# Altium PCB 2017_IHM.PcbDoc (part 2 of 2)
Units mil, origin at the board's own origin, x right, y up, seen from the top; angles counter-clockwise.
Board outline 5770 x 6604.12 mil, 4 copper layers (1-TOP, 2-SIGNAL, 3-GND, 4-BOT), stack 68 mil thick; 257 components, 166 nets, 806 pads, 303 vias.
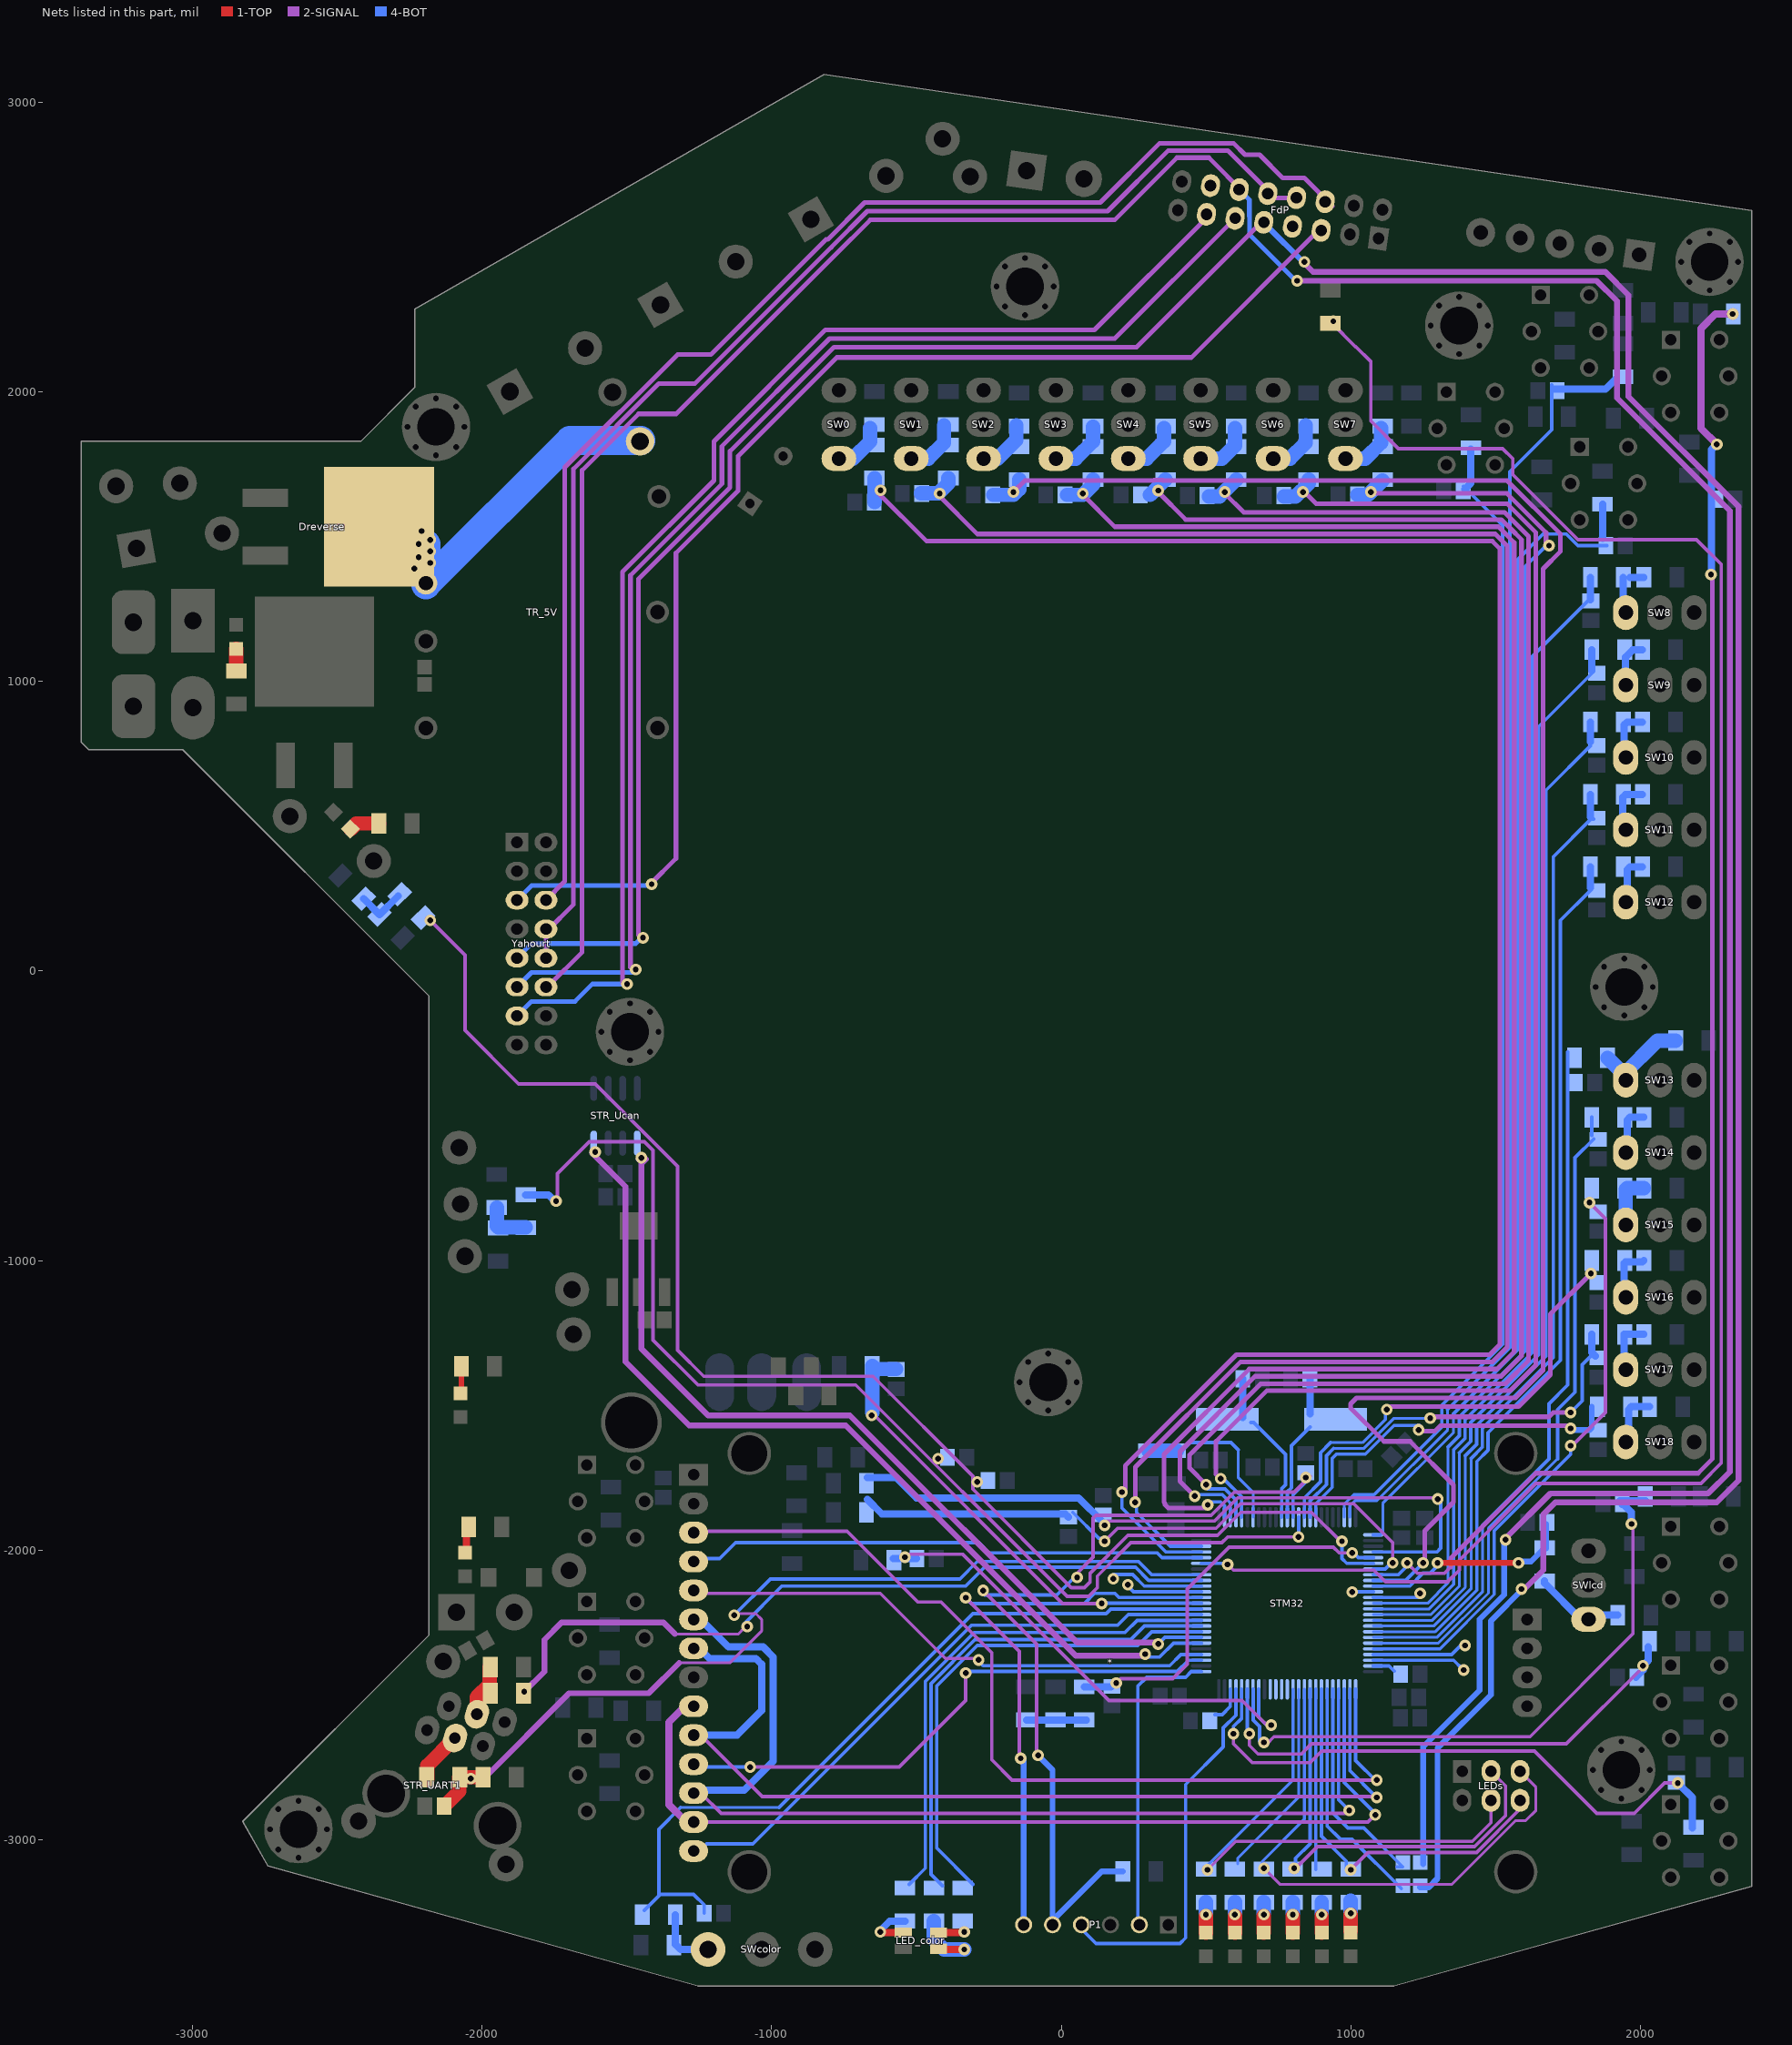
[diagram p4: the nets of this part, all layers, seen from the top]

## Via types
v1: diameter 40, hole 20, 1-TOP to 4-BOT, 303 vias

## Nets (pads, with @x,y where several pads share a name; then routed paths per layer and width w, separated by ;. In a path a pad name is that pad's centre, name@x,y a point inside that pad or via, vN(x,y) a via of type N, cw(c..) or ccw(c..) an arc to the next point about the centre after c; other vN are vias at no path point) (continued)
NetC46_2: C46.2 STM32.12 Y1.2 | length 521.5
  4-BOT w12: Y1.2@655,-1560 665,-1560 775,-1670 775,-1775 761.3,-1788.7 STM32.12@761.3,-1886.77
  4-BOT w25: Y1.2@627.52,-1542.48 C46.2@627.52,-1409.02
NetC47_2: C47.2 STM32.13 Y1.1 | length 464.9
  4-BOT w12: STM32.13@780.98,-1886.77 780.98,-1799.02 795,-1785 795,-1640 Y1.1@860,-1575
  4-BOT w25: Y1.1@859.45,-1529.45 C47.2@859.45,-1409.02
NetC49_2: C49.2 STM32.49 | length 80.4
  4-BOT w12: STM32.49@1078.23,-2400.55 1132.52,-2400.55 C49.2@1150.98,-2419.02
NetC50_2: C50.2 STM32.73 | length 124.4
  4-BOT w12: C50.2@530.98,-2569.02 555.98,-2569.02 584.13,-2540.87 STM32.73@584.13,-2481.26
NetCd24VCDE_2: Cd24VCDE.2 Dreverse.2 TR_5V.1 | length 1083.7
  4-BOT w100: TR_5V.1@-2195,1335 -1697.27,1832.73 Cd24VCDE.2@-1452.5,1832.73 ; TR_5V.1@-2195,1340 -2195,1475
  other v1: -2235,1390 -2180,1410 -2220,1430 -2180,1450 -2220,1475 -2180,1490 -2210,1520
NetD24in_1: D24in.1 R24in.2 | length 68.7
  1-TOP w50: R24in.2@-2850,1045 D24in.1@-2850,1113.66
NetD24Psce_1: D24Psce.1 R24Psce.2 | length 106.2
  1-TOP w50: D24Psce.1@-2455,490 -2435,510 R24Psce.2@-2357.09,510
NetDcde_1: Dcde.1 Rcde.2 | length 92.1
  1-TOP w20: Dcde.1@-2072.09,-1457.09 Rcde.2@-2072.09,-1365
NetDhok_1: Dhok.1 Rhok.2 | length 104.1
  1-TOP w25: Dhok.1@-2065,-2010 -2055,-2000 Rhok.2@-2055,-1910
NetLed0_1: Led0.1 Rled0.1 | length 94.5
  1-TOP w50: Led0.1@1000,-3316.57 v1@1000,-3260
  4-BOT w50: v1@1000,-3250 Rled0.1@1000,-3212.09
  other v1: 1000,-3255
NetLed1_1: Led1.1 Rled1.1 | length 94.5
  1-TOP w50: Led1.1@900,-3321.57 v1@900,-3265
  4-BOT w50: v1@900,-3255 Rled1.1@900,-3217.09
  other v1: 900,-3260
NetLed2_1: Led2.1 Rled2.1 | length 94.5
  1-TOP w50: Led2.1@800,-3321.57 v1@800,-3265
  4-BOT w50: v1@800,-3255 Rled2.1@800,-3217.09
  other v1: 800,-3260
NetLed3_1: Led3.1 Rled3.1 | length 94.5
  1-TOP w50: Led3.1@700,-3321.57 v1@700,-3265
  4-BOT w50: v1@700,-3255 Rled3.1@700,-3217.09
  other v1: 700,-3260
NetLed4_1: Led4.1 Rled4.1 | length 94.5
  1-TOP w50: Led4.1@600,-3321.57 v1@600,-3265
  4-BOT w50: v1@600,-3255 Rled4.1@600,-3217.09
  other v1: 600,-3260
NetLed5_1: Led5.1 Rled5.1 | length 94.5
  1-TOP w50: Led5.1@500,-3321.57 v1@500,-3265
  4-BOT w50: v1@500,-3255 Rled5.1@500,-3217.09
  other v1: 500,-3260
NetLED_color_2: LED_color.2 RBlue.2 | length 170.6
  1-TOP w25: v1@-617.95,-3322.05 LED_color.2@-546.02,-3322.05
  4-BOT w25: v1@-625,-3315 -592.09,-3282.09 RBlue.2@-540,-3282.09
  other v1: -625,-3320
NetLED_color_3: LED_color.3 Rred.2 | length 272.3
  1-TOP w25: LED_color.3@-423.98,-3377.85 -421.83,-3380 v1(-335,-3380)
  4-BOT w50: Rred.2@-440,-3282.09 -440,-3345 -405,-3380 v1(-335,-3380)
NetLED_color_4: LED_color.4 RGreen.2 | length 96.1
  1-TOP w25: LED_color.4@-423.98,-3322.15 v1@-327.85,-3322.15
  other v1: -335,-3320
NetRmes12+_1: Rmes12+.1 Rmes12-.2 Rsme12.1 | length 207.1
  4-BOT w25: Rmes12-.2@-120,-2587.09 Rmes12+.1@-20,-2587.09 Rsme12.1@80,-2587.09 Rsme12.1@87.09,-2587.09
NetRmes24+_1: Rmes24+.1 Rmes24-.2 Rsme24.1 | length 165
  4-BOT w50: Rmes24+.1@-1950,-817.09 -1950,-880 -1945,-885 Rsme24.1@-1850,-885
NetRmes24p+_1: Rmes24p+.1 Rmes24p-.2 Rsme24p.1 | length 169.2
  4-BOT w25: Rmes24p+.1@-2409.63,249.63 -2355,195 Rsme24p.1@-2290,260
NetRpuSW0_1: RpuSW0.1 RsSW0.1 SW0.NC1 | length 177.8
  4-BOT w50: SW0.NC1@-768.11,1770.35 -719.65,1770.35 -660,1830 RpuSW0.1@-660,1875
NetRpuSW1_1: RpuSW1.1 RsSW1.1 SW1.NC1 | length 195.7
  4-BOT w50: SW1.NC1@-518.11,1770.35 -459.65,1770.35 -405,1825 RpuSW1.1@-405,1885
NetRpuSW2_1: RpuSW2.1 RsSW2.1 SW2.NC1 | length 189.9
  4-BOT w50: SW2.NC1@-268.11,1770.35 -219.65,1770.35 -155,1835 RpuSW2.1@-155,1885
NetRpuSW3_1: RpuSW3.1 RsSW3.1 SW3.NC1 | length 202.8
  4-BOT w50: SW3.NC1@-18.11,1770.35 50.35,1770.35 110,1830 RpuSW3.1@110,1880
NetRpuSW4_1: RpuSW4.1 RsSW4.1 SW4.NC1 | length 192.8
  4-BOT w50: SW4.NC1@231.89,1770.35 295.35,1770.35 355,1830 RpuSW4.1@355,1875
NetRpuSW5_1: RpuSW5.1 RsSW5.1 SW5.NC1 | length 196.6
  4-BOT w50: SW5.NC1@481.89,1770.35 555.35,1770.35 600,1815 RpuSW5.1@600,1875
NetRpuSW6_1: RpuSW6.1 RsSW6.1 SW6.NC1 | length 195.7
  4-BOT w50: SW6.NC1@731.89,1770.35 790.35,1770.35 845,1825 RpuSW6.1@845,1885
NetRpuSW7_1: RpuSW7.1 RsSW7.1 SW7.NC1 | length 195.7
  4-BOT w50: SW7.NC1@981.89,1770.35 1050.35,1770.35 1105,1825 RpuSW7.1@1105,1875
NetRpuSW8_1: RpuSW8.1 RsSW8.1 SW8.NC1 | length 165
  4-BOT w25: SW8.NC1@1942.09,1242.91 RsSW8.1@1942.09,1360 ; RsSW8.1@1965,1360 RpuSW8.1@2012.91,1360
NetRpuSW9_1: RpuSW9.1 RsSW9.1 SW9.NC1 | length 133.3
  4-BOT w25: SW9.NC1@1950,1020 1950,1085 1975,1110 RpuSW9.1@2007.91,1110
NetRpuSW10_1: RpuSW10.1 RsSW10.1 SW10.NC1 | length 137.1
  4-BOT w25: SW10.NC1@1945,780 1945,850 1955,860 RpuSW10.1@2007.91,860
NetRpuSW11_1: RpuSW11.1 RsSW11.1 SW11.NC1 | length 202.1
  4-BOT w25: SW11.NC1@1940,470 1940,600 1950,610 RpuSW11.1@2007.91,610
NetRpuSW12_1: RpuSW12.1 RsSW12.1 SW12.NC1 | length 167.1
  4-BOT w25: SW12.NC1@1955,240 1955,350 1965,360 RpuSW12.1@2007.91,360
NetRpuSW13_1: RpuSW13.1 RsSW13.1 SW13.NC1 | length 321.6
  4-BOT w50: RsSW13.1@1887.09,-300 1943.54,-356.46 1945,-357.91 SW13.NC1@1945,-365 ; SW13.NC1@1940,-360 2060,-240 RpuSW13.1@2122.91,-240
NetRpuSW14_1: RpuSW14.1 RsSW14.1 SW14.NC1 | length 142.1
  4-BOT w25: SW14.NC1@1955,-595 1955,-515 1965,-505 RpuSW14.1@2012.91,-505
NetRpuSW15_1: RpuSW15.1 RsSW15.1 SW15.NC1 | length 170
  4-BOT w50: SW15.NC1@1950,-860 1950,-755 1955,-750 RpuSW15.1@2012.91,-750
NetRpuSW16_1: RpuSW16.1 RsSW16.1 SW16.NC1 | length 177.1
  4-BOT w25: SW16.NC1@1945,-1115 1945,-1010 1950,-1005 2007.91,-1005 RpuSW16.1@2012.91,-1000
NetRpuSW17_1: RpuSW17.1 RsSW17.1 SW17.NC1 | length 175
  4-BOT w25: SW17.NC1@1950,-1360 1945,-1355 1945,-1255 RpuSW17.1@2012.91,-1255
NetRpuSW18_1: RpuSW18.1 RsSW18.1 SW18.NC1 | length 172.1
  4-BOT w25: SW18.NC1@1960,-1610 1960,-1515 1970,-1505 RpuSW18.1@2032.91,-1505
NetRpuSWcolor_1: RpuSWcolor.1 RsSWcolor.1 SWcolor.NC1 | length 219.1
  4-BOT w25: RpuSWcolor.1@-1332.91,-3362.91 RsSWcolor.1@-1332.91,-3260 ; RpuSWcolor.1@-1330,-3365 -1315,-3380 SWcolor.NC1@-1220.04,-3380
NetRpuSWlcd_1: RpuSWlcd.1 RsSWlcd.1 SWlcd.NC1 | length 279.1
  4-BOT w25: RsSWlcd.1@1670,-2107.09 1670,-2115 SWlcd.NC1@1795,-2240 ; SWlcd.NC1@1840,-2225 RpuSWlcd.1@1922.91,-2225
  4-BOT w50: SWlcd.NC1@1821.89,-2239.65 SWlcd.NC1@1821.89,-2228.11
Netrx_1: rx.1 STM32.56 | length 818.3
  4-BOT w12: STM32.56@918.78,-2481.26 918.78,-2953.78 965,-3000 1005,-3000 rx.1@1175,-3170
NetSTM32_55: STM32.55 tx.1 | length 766
  4-BOT w12: STM32.55@938.46,-2481.26 938.46,-2908.46 990,-2960 1045,-2960 1180,-3095 tx.1@1160,-3095
NetSTR_RpuU1tx_1: STR_RpuU1tx.1 STR_RsU1tx.1 STR_UART1.3 | length 180.7
  1-TOP w50: STR_UART1.3@-2018.87,-2567.56 -2018.87,-2508.87 -1975,-2465 STR_RpuU1tx.1@-1975,-2405
NetSTR_Rsu1rx_2: STR_Rsu1rx.2 STR_UART1.4 | length 184.6
  1-TOP w50: STR_Rsu1rx.2@-2190,-2795 -2190,-2745.41 STR_UART1.4@-2094.5,-2649.91
PA0_BP_SELFTEST: CfBPst.2 RsBPst.2 STM32.23 | length 4031.5
  4-BOT w10: STM32.23@977.83,-1886.77 977.83,-1842.17 1010.98,-1809.02 1080.98,-1809.02
  4-BOT w12: 1080.98,-1809.02 1315,-1575 1315,-1500 1525,-1290 1525,1540 CfBPst.2@1390,1675
  4-BOT w25: CfBPst.2@1395,1665 1415,1685 RsBPst.2@1415,1802.91
PA1_BP_CALIBRATION: CfBPc.2 RsBPc.2 STM32.24 | length 4472.6
  4-BOT w10: STM32.24@997.52,-1886.77 997.52,-1847.48 1015.98,-1829.02 1090.98,-1829.02 1335,-1585 1335,-1515
  4-BOT w12: 1335,-1515 1550,-1300 1550,1515 1550.5,1515.5 1550.5,1725.5 1695,1870 CfBPc.2@1695,2025
  4-BOT w25: CfBPc.2@1705,2010 1723.46,2010 1880,2010 RsBPc.2@1917.5,2047.5
PA3_BP_PRINT_MATCH: CfBPpm.2 RsBPpm.2 STM32.26 | length 4069.4
  4-BOT w10: STM32.26@1102.2,-1947.8 1110.98,-1939.02 1110.98,-1839.02 1355,-1595 1355,-1530
  4-BOT w12: STM32.26@1078.23,-1947.8 STM32.26@1102.2,-1947.8 ; 1355,-1530 1575,-1310 1575,1420 1665,1510 1745,1510 1785,1470 CfBPpm.2@1881.54,1470 CfBPpm.2@1885,1470
  4-BOT w25: CfBPpm.2@1870,1495 RsBPpm.2@1870,1612.91
PA4_BP0: CfBP0.2 RsBP0.2 STM32.29 | length 2492.2
  2-SIGNAL w12: v1@145,-1910 155,-1900 530,-1900 610,-1820 1296.97,-1820 v1(1300.98,-1824.02)
  4-BOT w12: STM32.29@1078.23,-2006.85 1298.15,-2006.85 1310.98,-1994.02 v1@1310.98,-1829.02
  4-BOT w25: RsBP0.2@-670,-1750 -570,-1750 -500,-1820 60,-1820 145,-1905 v1@145,-1920
  other v1: 150,-1915
PA5_MEAS_12VHOK: Cmes12.2 Rsme12.2 STM32.30 | length 1344.5
  2-SIGNAL w12: v1(190,-2460) 205,-2445 385,-2445 435,-2395 435,-2135 580,-1990 940,-1990 960,-2010 v1(1005,-2010)
  4-BOT w12: v1@1005,-2005 1026.54,-2026.54 STM32.30@1078.23,-2026.54
  4-BOT w25: Rsme12.2@80,-2472.91 Cmes12.2@172.09,-2472.91
PA6_MEAS_24VPSCE: Cmes24p.2 Rsme24p.2 STM32.31 | length 5013.3
  2-SIGNAL w12: v1@-2190,185 -2060,55 -2060,-205 -1875,-390 -1610,-390 -1325,-675 -1325,-1310 -1235,-1400 -650,-1400 -305,-1745 -305,-1790 35,-2130 80,-2130 100,-2110 100,-2080 230,-1950 540,-1950 620,-1870 865,-1870 v1@970,-1975
  4-BOT w12: v1(970,-1970) 970,-2030 986.22,-2046.22 STM32.31@1078.23,-2046.22
  other v1: -290,-1765 -2180,175
PA7_BP1: CfBP1.2 RsBP1.2 STM32.32 | length 2117.3
  2-SIGNAL w12: 165,-1955 195,-1925 535,-1925 620,-1840 1010,-1840 1145,-1975 v1(1145,-2045)
  4-BOT w12: CfBP1.2@40,-1870 130,-1960 v1@160,-1960 ; STM32.32@1078.23,-2065.91 1119.09,-2065.91 v1@1150.98,-2034.02
  4-BOT w25: -670,-1825 -620,-1875 13.46,-1875 CfBP1.2@25,-1886.54
  other v1: 150,-1970
PA9_BP2: CfBP2.2 RsBP2.2 STM32.68 | length 1751.6
  2-SIGNAL w12: v1@-550,-2015 -340,-2015 165,-2520 625,-2520 705,-2600 v1@730,-2600
  4-BOT w12: STM32.68@682.56,-2481.26 682.56,-2577.56 v1@720,-2615
  4-BOT w25: RsBP2.2@-580,-2030 CfBP2.2@-500,-2030
  other v1: 725,-2605 -540,-2025
PA10_BP3: CfBP3.2 RsBP3.2 STM32.69 | length 2190.3
  2-SIGNAL w12: v1@710,-2670 735,-2645 1620,-2645 1975,-2290 1975,-1905 v1(1970,-1910) v1@1970,-1905
  4-BOT w12: STM32.69@662.87,-2481.26 662.87,-2587.87 685,-2610 v1@685,-2660
  4-BOT w25: CfBP3.2@1938.46,-1843.46 CfBP3.2@1938.46,-1840 ; v1@1970,-1905 1970,-1870 1930,-1830 RsBP3.2@2017.91,-1830
  other v1: 700,-2665
PA11_BP4: CfBP4.2 RsBP4.2 STM32.70 | length 1820.5
  2-SIGNAL w12: v1(650,-2635) 650,-2675 680,-2705 830,-2705 865,-2670 1745,-2670 2005,-2410 v1@2005,-2405
  4-BOT w12: STM32.70@643.19,-2481.26 643.19,-2621.22 660.98,-2639.02 v1@660.98,-2644.02
  4-BOT w25: CfBP4.2@1985,-2440 2010,-2415 v1(2010,-2400) ; v1@2015,-2395 2027.91,-2382.09 RsBP4.2@2027.91,-2335
PA12_BP5: CfBP5.2 RsBP5.2 STM32.71 | length 2065.3
  2-SIGNAL w12: v1@595,-2640 595,-2670 660,-2735 860,-2735 900,-2695 1635,-2695 1850,-2910 1980,-2910 2085,-2805 v1(2130,-2805)
  4-BOT w12: v1@600,-2623.03 595,-2618.03 595,-2610 623.5,-2581.5 STM32.71@623.5,-2481.26
  4-BOT w25: CfBP5.2@2135,-2810 2180,-2855 RsBP5.2@2180,-2960
  other v1: 595,-2635
PB0_SW_LCD: CfSWlcd.2 RsSWlcd.2 STM32.35 | length 722.3
  1-TOP w20: v1(1300,-2045) v1(1580,-2045)
  4-BOT w12: STM32.35@1078.23,-2124.96 1205.04,-2124.96 1250,-2080 1275,-2080 v1@1300,-2055
  4-BOT w20: v1@1585,-2045 1590,-2040 1622.91,-2040 RsSWlcd.2@1670,-1992.91 ; RsSWlcd.2@1675,-1995 CfSWlcd.2@1675,-1910
PB1_BP_OK: STM32.36 | length 73.4
  4-BOT w12: v1(1005,-2145) 1005.35,-2144.65 STM32.36@1078.23,-2144.65
PB2_BP_+: STM32.37 | length 157.4
  4-BOT w12: STM32.37@1078.23,-2164.33 v1@1235.67,-2164.33
  other v1: 1240,-2150
PB4_PB_-: STM32.90 | length 261.9
  4-BOT w12: v1@230,-2125 249.65,-2144.65 STM32.90@483.74,-2144.65
  other v1: 230,-2120
PB5_BP_SET: STM32.91 | length 320.3
  4-BOT w12: v1@180,-2085 246.97,-2085 286.93,-2124.96 STM32.91@483.74,-2124.96
  other v1: 180,-2100
PB6_U1TX: STM32.92 STR_RsU1tx.2 | length 2629
  2-SIGNAL w10: -1332.5,-2292.5 -1330.5,-2290.5 -1115.5,-2290.5 v1@-1095,-2270
  2-SIGNAL w20: v1(-1855,-2490) -1785,-2420 -1785,-2310 -1725,-2250 -1375,-2250 -1335,-2290
  4-BOT w12: v1@-1097.5,-2257.5 -965,-2125 -330,-2125 -265,-2060 256.97,-2060 302.24,-2105.28 STM32.92@483.74,-2105.28
  other v1: -1085,-2265
PB7_U1RX: STM32.93 STR_Cu1rx.2 STR_RpuU1rx.1 STR_Rsu1rx.1 | length 3268.7
  1-TOP w50: STR_Cu1rx.2@-2131.54,-2885 -2080,-2833.46 STR_Rsu1rx.1@-2080,-2785 ; STR_Rsu1rx.1@-2077.91,-2785 STR_RpuU1rx.1@-2005,-2785
  2-SIGNAL w10: -1320,-2390 -1145,-2390 -1035,-2280 -1035,-2240 -1055,-2220 v1@-1125,-2220
  2-SIGNAL w20: v1@-2042.5,-2792.5 -1997.5,-2792.5 -1700,-2495 -1425,-2495 -1320,-2390
  4-BOT w12: v1@-1135,-2230 -1005,-2100 -350,-2100 -290,-2040 266.97,-2040 312.56,-2085.59 STM32.93@483.74,-2085.59
  other v1: -2040,-2790 -1130,-2225
PB8_I_AM_READY: Rihm_ready.2 STM32.95 | length 6961.8
  2-SIGNAL w12: v1(575,-2050) 595,-2070 1080,-2070 1120,-2110 1335,-2110 1375,-2070 1375,-2035 1640,-1770 2210,-1770 2280,-1700 2280,1405 2195,1490 1785,1490 1560,1715 1560,1770 1525,1805 1165,1805 1070,1900 1070,2105 1018,2157 1016.33,2157 935,2238.33 v1@935,2240
  4-BOT w12: STM32.95@483.74,-2046.22 v1@576.22,-2046.22
  other v1: 940,2245
PB9_LCD_RESET: *.4 STM32.96 | length 1782.9
  4-BOT w12: *.4@-1255,-2030 -1180,-2030 -1125,-1975 -285,-1975 -250,-2010 331.67,-2010 348.2,-2026.54 STM32.96@483.74,-2026.54
PB10_LCD_SCL: STM32.47 | length 321.8
  4-BOT w12: STM32.47@1078.23,-2361.18 1348.82,-2361.18 v1@1385,-2325
  other v1: 1395,-2330
PB11_LCD_SDA: STM32.48 | length 318.8
  4-BOT w12: STM32.48@1078.23,-2380.87 1355.87,-2380.87 v1@1385,-2410
  other v1: 1390,-2415
PB12_SPI_CS: *.3 STM32.51 | length 3286.9
  2-SIGNAL w12: *.3@-1275,-1935 -740,-1935 -495,-2180 -415,-2180 -240,-2355 -240,-2725 -170,-2795 v1(1090,-2795)
  4-BOT w12: STM32.51@1017.2,-2481.26 1017.2,-2727.2 v1@1090,-2800
PB13_SPI_SCK: *.7 *.10 STM32.52 | length 3524.1
  2-SIGNAL w12: *.10@-1250,-2635 -1033,-2852 1087,-2852 v1(1090,-2855)
  4-BOT w12: STM32.52@997.52,-2481.26 997.52,-2762.52 v1@1085,-2850
  4-BOT w25: *.10@-1270,-2640 -1120,-2640 -1035,-2555 -1035,-2395 -1055,-2375 -1215,-2375 -1250,-2340 *.7@-1270,-2340
PB14_SPI_MISO: *.9 *.13 STM32.53 | length 3338.2
  2-SIGNAL w12: *.13@-1295,-2940 *.13@-1270,-2940 ; *.13@-1288,-2918 -1266,-2940 1060,-2940 v1(1085,-2915)
  2-SIGNAL w25: *.9@-1300,-2540 -1355,-2595 -1355,-2880 *.13@-1295,-2940
  4-BOT w12: STM32.53@977.83,-2481.26 977.83,-2802.83 v1@1085,-2910
PB15_SPI_MOSI: *.6 *.12 STM32.54 | length 3696.6
  2-SIGNAL w12: *.12@-1245,-2840 -1175,-2910 980,-2910 v1@990,-2900
  4-BOT w12: STM32.54@958.15,-2481.26 958.15,-2863.15 v1@1000,-2905
  4-BOT w25: *.6@-1270,-2240 -1245,-2240 -1150,-2335 -1030,-2335 -995,-2370 -995,-2730 -1095,-2830 -1245,-2830 *.12@-1250,-2835
  other v1: 995,-2900
PC0_MEAS_24VPERM: Cmes24.2 Rsme24.2 STM32.15 | length 4020.4
  2-SIGNAL w12: v1@-1740,-800 -1740,-700 -1630,-590 -1440,-590 -1410,-620 -1410,-1275 -1255,-1430 -710,-1430 20,-2160 95,-2160 125,-2130 125,-2090 240,-1975 555,-1975 575,-1955 v1(820,-1955)
  4-BOT w12: v1@820,-1950 820.35,-1949.65 STM32.15@820.35,-1886.77
  4-BOT w25: Rsme24.2@-1850,-772.91 -1772.09,-772.91 v1@-1750,-795
  other v1: -425,-1685 -1745,-795
PC1_SW16: CfSW16.2 RsSW16.2 STM32.16 | length 1558.7
  2-SIGNAL w16: v1@1130,-1505 1580,-1505 1690,-1395 1690,-1185 v1@1825,-1050
  4-BOT w10: 930.98,-1629.02 1040.98,-1629.02 1120,-1550 v1@1120,-1515
  4-BOT w12: STM32.16@840.04,-1886.77 840.04,-1819.96 895.98,-1764.02 895.98,-1664.02 930.98,-1629.02
  other v1: 1125,-1515 1830,-1045
PC2_SW17: CfSW17.2 RsSW17.2 STM32.17 | length 1449.3
  2-SIGNAL w16: v1@1290,-1540 1685,-1540 1700,-1525 v1@1755,-1525
  4-BOT w10: 940.98,-1649.02 1045.98,-1649.02 1150,-1545 v1@1290,-1545
  4-BOT w12: STM32.17@859.72,-1886.77 859.72,-1830.28 915.98,-1774.02 915.98,-1674.02 940.98,-1649.02 ; v1(1760,-1525) 1800,-1485 1800,-1360 CfSW17.2@1837.5,-1322.5
  4-BOT w25: RsSW17.2@1832.91,-1255 1832.91,-1317.91 1837.5,-1322.5 CfSW17.2@1845,-1330
  other v1: 1275,-1545
PC3_SW18: CfSW18.2 RsSW18.2 STM32.18 | length 1256.1
  2-SIGNAL w16: v1@1240,-1585 1245,-1590 1290,-1590 1310,-1570 v1@1760,-1570
  4-BOT w10: STM32.18@879.41,-1886.77 879.41,-1840.59 935.98,-1784.02 935.98,-1684.02 ; 950.98,-1669.02 1050.98,-1669.02 1150,-1570 v1@1240,-1570
  4-BOT w12: 935.98,-1684.02 950.98,-1669.02
  4-BOT w20: v1@1760,-1585 1825,-1585 1832.91,-1577.09 RsSW18.2@1832.91,-1505
  other v1: 1235,-1585 1760,-1580
PC4_BP_RFU: CfBPrfu.2 RsBPrfu.2 STM32.33 | length 5443.6
  2-SIGNAL w12: v1(1195,-2045) 1231,-2081 1324,-2081 1345,-2060
  2-SIGNAL w16: 1345,-2060 1345,-2030 1640,-1735 2200,-1735 2250,-1685 v1@2250,1365
  2-SIGNAL w25: v1(2265,1820) 2210,1875 2210,2220 2260,2270 v1(2320,2270)
  4-BOT w12: STM32.33@1078.23,-2085.59 1164.41,-2085.59 v1@1198.48,-2051.52
  4-BOT w25: v1@2246.54,1373.46 2246.54,1801.54 v1(2265,1820)
  other v1: 2245,1370
PC5_SW2: CfSW2.2 RsSW2.2 STM32.34 | length 6735.7
  2-SIGNAL w16: v1(-165,1655) -125,1695 319.09,1695 320.09,1696 349.91,1696 350.91,1695 1540,1695 1725,1510 1725,1450 1665,1390 1665,-1380 1570,-1475 1020,-1475 1000,-1495 1000,-1510 1115,-1625 1205,-1625 1355,-1775 1355,-1835 1255.98,-1934.02 1255.98,-1950.07 ; v1@1255.98,-2049.02 1255.98,-1979.93 ; 1256,-1979.91 1256,-1950.09
  4-BOT w12: STM32.34@1078.23,-2105.28 1189.72,-2105.28 v1@1250.98,-2044.02
  4-BOT w50: CfSW2.2@-235,1645 -165,1645 -145,1665 RsSW2.2@-145,1697.91
  other v1: 1250,-2045
PC6_LED_OK: STM32.63
PC7_LED_SET: STM32.64
PC8_LED_+: STM32.65
PC9_LED_-: STM32.66
PC10_T_CS: *.11 STM32.78 | length 1955.2
  2-SIGNAL w12: v1@-1080,-2750 v1(-1075,-2750) -560,-2750 -330,-2520 v1(-330,-2425)
  4-BOT w12: *.11@-1250,-2750 v1(-1075,-2750) ; v1@-340,-2420 400,-2420 439.13,-2380.87 STM32.78@483.74,-2380.87
PC11_DC: *.5 STM32.79 | length 1847.2